# Altium PCB Iris.PcbDoc (part 2 of 13)
Units mm, origin at the board's own origin, x right, y up, seen from the top; angles counter-clockwise.
Board outline 100 x 72 mm, 6 copper layers (Top Layer, PowerPlane1, MidLayer1, MidLayer2, PowerPlane2, Bottom Layer), stack 1.561 mm thick; 396 components, 379 nets, 1616 pads, 658 vias.
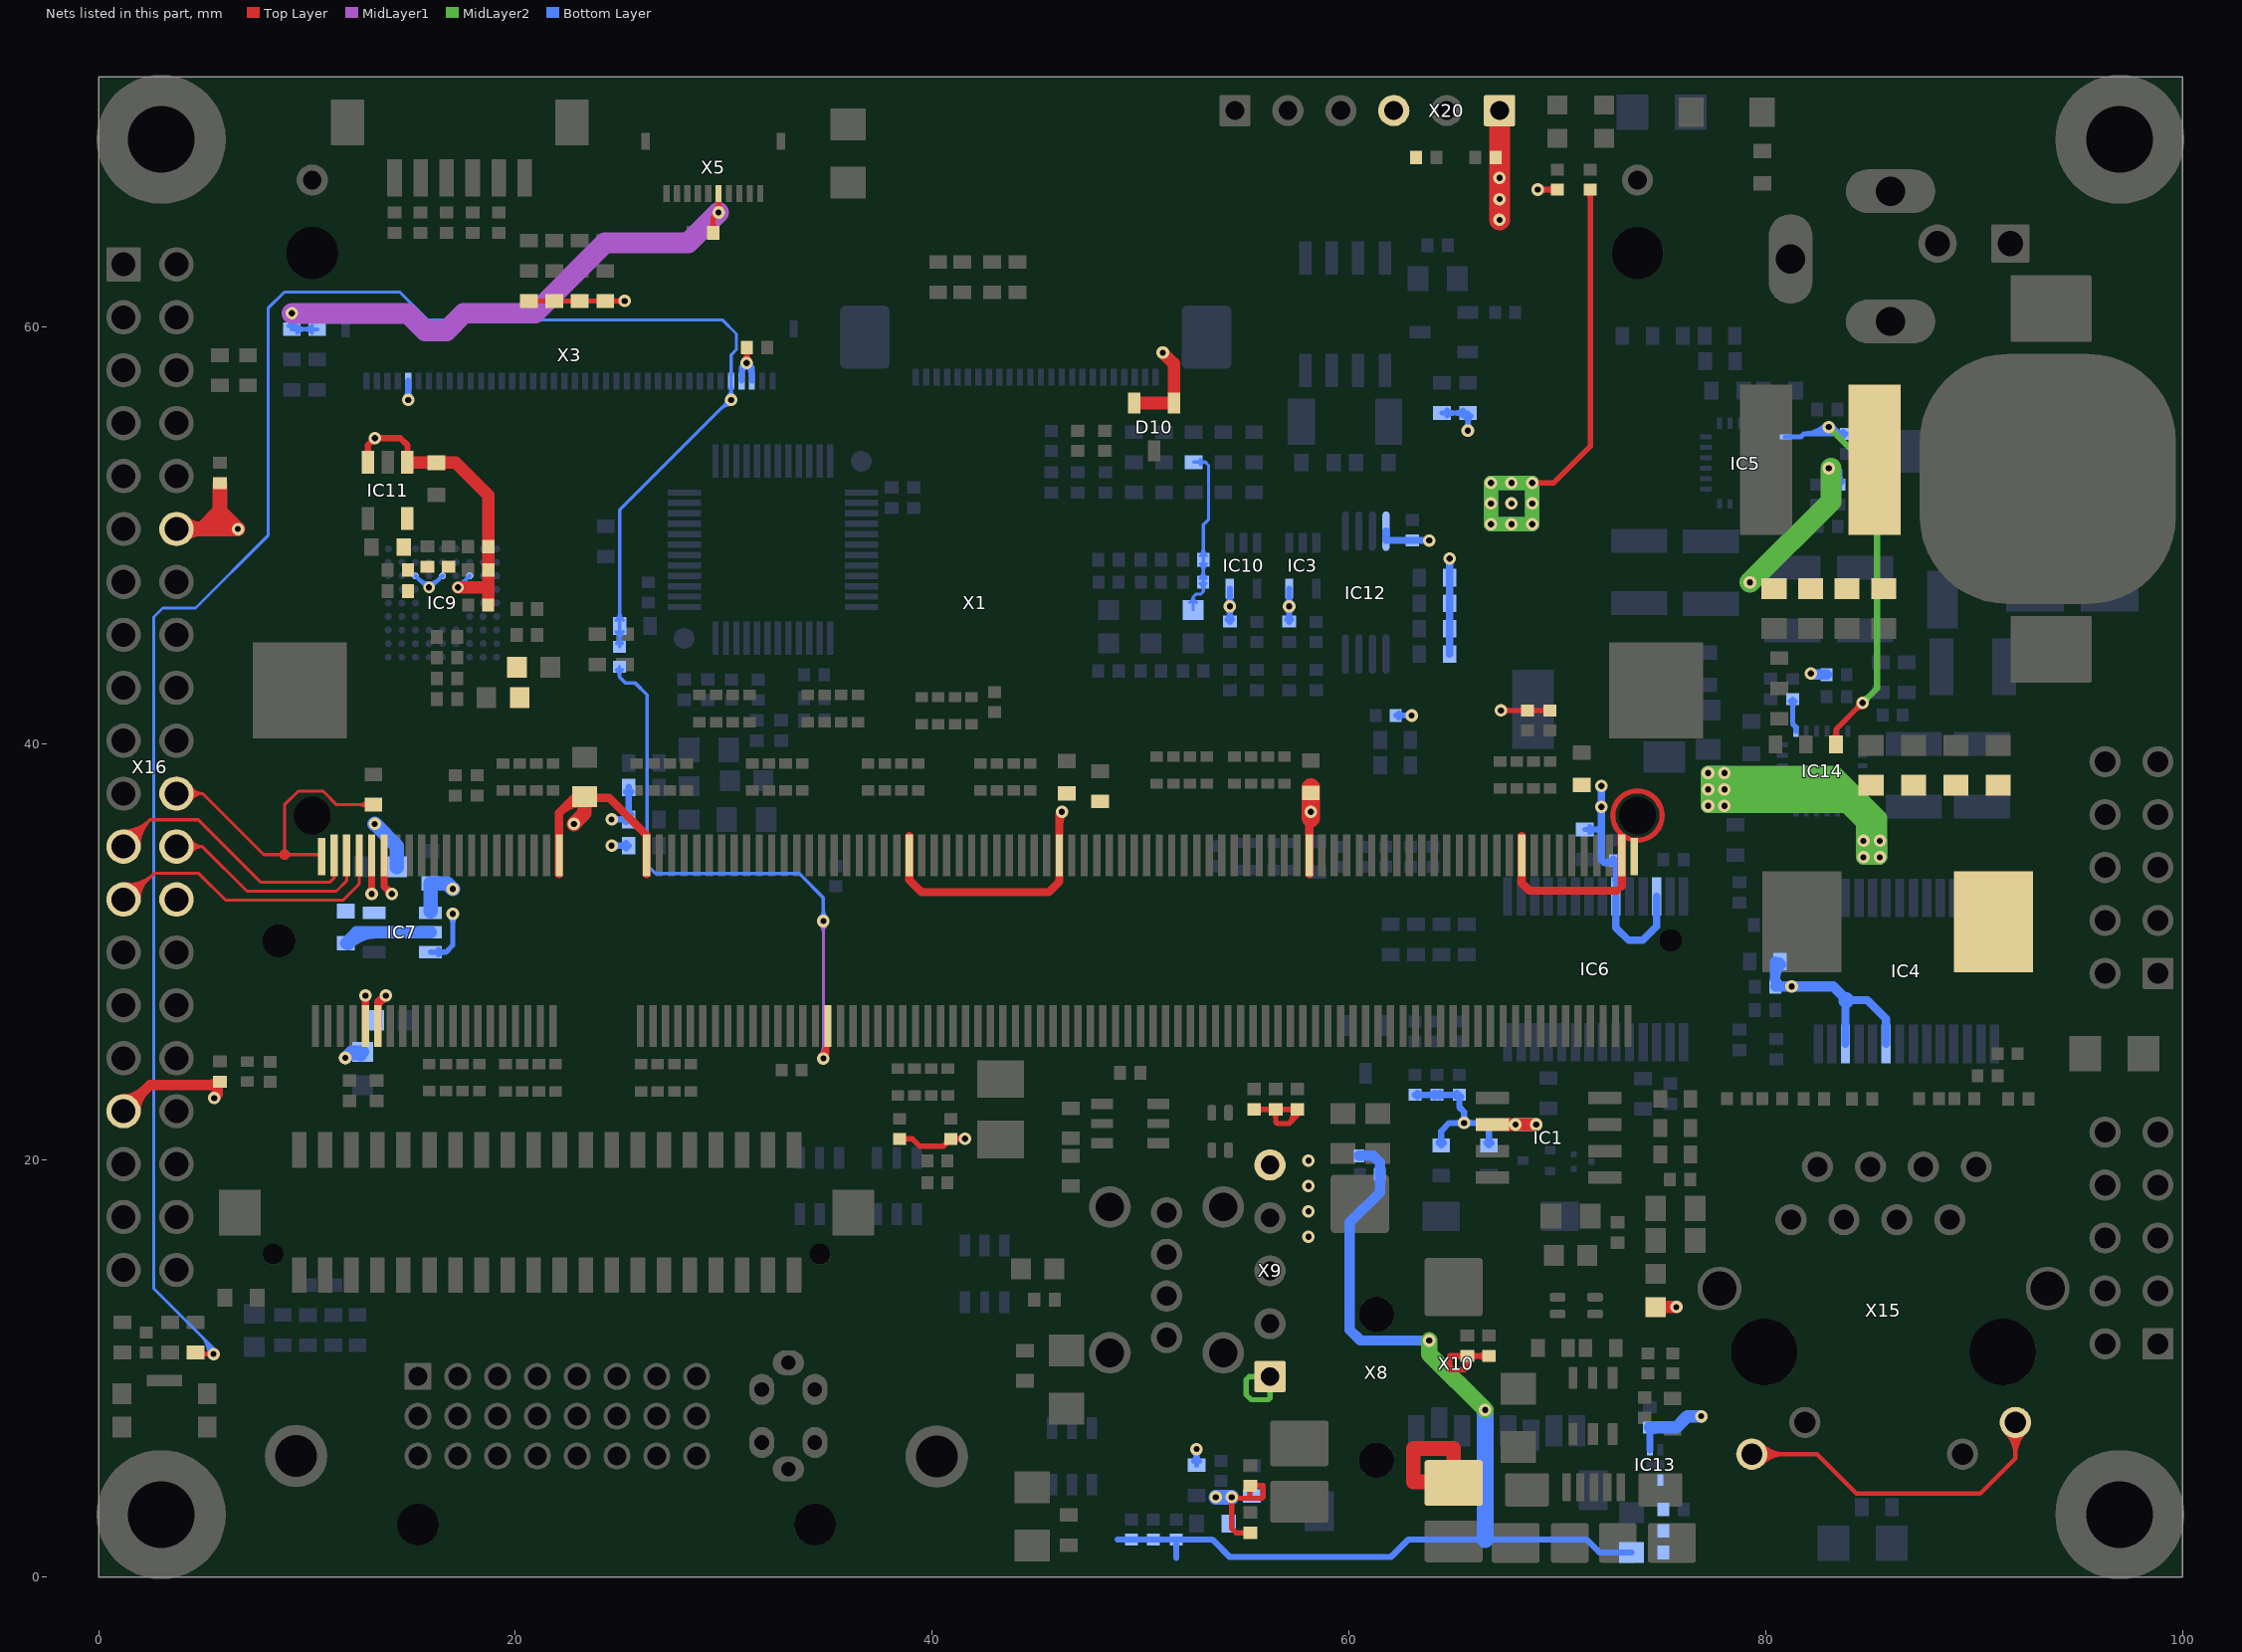
[diagram p6: the nets of this part, all layers, seen from the top]

## Footprints (in the part's own frame and the unit in brackets; to place one, negate y for a bottom-side part, rotate by r counter-clockwise, add the part's x,y. Pads: shape width x height; smd on the part's side, far side on the other; paste and mask are expansions set on the pad) (continued)
T_RAPC722X [mm] "Connector, 2.1mm (Dia), 5.5mm(Dia), Round Power Socket"
  oval 4.3x2.1 hole 1.4 slot 3.5 at 0 deg: 1(0,13.74) 2(0,7.49)
  oval 2.1x4.3 hole 1.4 slot 3.5 at 90 deg: 3(4.8,10.74)
  silkscreen extent -4.7,2 6.4,15.39, body extent -4.5,0 4.7,14.4, height 10.7
T_RESC0603X30N [mm] "Film Resistor 0603 (1608 metric), max height 0.45mm"
  rect 0.65x0.85 smd: 1(-0.725,0) 2(0.725,0)
  body extent -0.85,-0.4 0.85,0.4, height 0.56
T_RESC3216X760N [mm]
  rect 1.2x1.4 smd: 1(-1.7,0) 2(1.7,0)
  silkscreen extent -0.55,-0.88 0.55,0.88, body extent -1.6,-0.8 1.6,0.8, height 0.6
T_RESISTOR_ARRAY_X4 [mm] "Resistor Array 0.8mm"
  rect 0.5x0.6 smd: 1(0,0) 2(0,-0.8) 3(0,-1.6) 4(0,-2.4) 5(1.3,0) 6(1.3,-0.8) 7(1.3,-1.6) 8(1.3,-2.4)
  silkscreen extent -0.47,-2.92 1.77,0.52, body extent -0.15,-2.8 1.45,0.4, height 0.5
T_Resistor_Array_X4 [mm] "Resistor Array 0.8mm"
  rect 0.5x0.6 smd: 1(0,0) 2(0,-0.8) 3(0,-1.6) 4(0,-2.4) 5(1.3,0) 6(1.3,-0.8) 7(1.3,-1.6) 8(1.3,-2.4)
  silkscreen extent -0.47,-2.92 1.77,0.52, body extent -0.15,-2.8 1.45,0.4, height 0.5
T_SOT50P160X80-3N [mm] "SOT23, 3-Leads, Body 1.7x1.8mm (max), Pitch 0.50mm, IPC Medium Density"
  rect 0.51x0.4 smd: 1(-0.65,0.5) 2(-0.65,-0.5) 3(0.65,0)
  silkscreen extent -0.78,-0.85 0.42,1.37, body extent -0.43,-0.85 0.42,0.85, height 0.8
T_SOT95P285X90-6N#1 [mm]
  rect 1.05x0.5 smd: 1(-1.35,0.95) 2(-1.35,0) 3(-1.35,-0.95) 4(1.35,-0.95) 6(1.35,0.95)
  rect 1.05x0.42 smd: 5(1.35,0)
  silkscreen extent -1.57,-1.5 0.5,1.7, body extent -1.4,-1.45 1.4,1.45, height 1.45
T_SOT95P285X90-6N#2 [mm]
  rect 1.05x0.5 smd: 1(-1.35,0.95) 2(-1.35,0) 3(-1.35,-0.95) 4(1.35,-0.95) 6(1.35,0.95)
  rect 1.05x0.44 smd: 5(1.35,0)
  silkscreen extent -1.57,-1.5 0.5,1.7, body extent -1.4,-1.45 1.4,1.45, height 1.45
T_SOT95P285X90-6N#3 [mm]
  rect 1.05x0.5 smd: 1(-1.35,0.95) 3(-1.35,-0.95) 4(1.35,-0.95) 6(1.35,0.95)
  rect 1.05x0.42 smd: 2(-1.35,0) 5(1.35,0)
  silkscreen extent -1.57,-1.5 0.5,1.7, body extent -1.4,-1.45 1.4,1.45, height 1.45
T_SOT95P285X90-6N#4 [mm]
  rect 1.05x0.42 smd: 1(-1.35,0.95) 5(1.35,0) 6(1.35,0.95)
  rect 1.05x0.5 smd: 2(-1.35,0) 3(-1.35,-0.95) 4(1.35,-0.95)
  silkscreen extent -1.57,-1.5 0.5,1.7, body extent -1.4,-1.45 1.4,1.45, height 1.45
T_TDFN0P120X160X60-4N [mm] "TDFN, 4-Leads, Body 1.6x1.2mm (max), Pitch 0.50mm, IPC Medium Density"
  rect 0.3x0.55 smd: 1(-0.25,-0.725) 2(0.25,-0.725) 3(0.25,0.725) 4(-0.25,0.725)
  rect 0.86x0.5 smd paste-0.05: 5(0,0)
  silkscreen extent -0.65,-1.42 0.65,0.85, body extent -0.63,-0.82 0.63,0.82, height 0.6
T_TI_TPD2EUSB30DRTR [mm] "2 CHANNEL PROTECTION SOLUTION FOR SUPER-SPEED"
  rect 0.3x0.3 smd: 1(-0.425,0.35) 2(-0.425,-0.35) 3(0.425,0)
  silkscreen extent -0.88,0.3 -0.78,0.4, body extent -0.43,-0.5 0.43,0.5, height 0.5
T_TORADEX_LOGO [mm] "Toradex Logo"
  Top Layer lines w0.15: -6.97,0 -6.854,0 ; -6.969,-0.148 cw(c-6.99,0) -7.14,0 cw(c-6.99,0) -6.969,0.148 ; -6.898,-0.21 ccw(c-6.177,0) -5.475,-0.269 ; -6.898,0.21 cw(c-6.177,0) -5.475,0.269 ; -6.765,-0.068 ccw(c-6.958,-0.227) -6.854,0 ; -6.765,0.068 cw(c-6.958,0.227) -6.854,0 ; -6.619,-0.35 ccw(c-6.177,0) -5.81,-0.428 cw(c-5.593,0) -5.942,-0.329 cw(c-6.29,0) -6.77,0 cw(c-6.29,0) -5.942,0.329 cw(c-5.593,0) -5.81,0.428 ccw(c-6.177,0) -6.619,0.35 ; -6.338,-0.54 ccw(c-6.29,0) -5.942,-0.415 ccw(c-5.593,0) -5.921,-0.431 cw(c-6.177,0) -6.046,-0.484 ; -6.338,0.54 cw(c-6.29,0) -5.942,0.415 cw(c-5.593,0) -5.921,0.431 ccw(c-6.177,0) -6.046,0.484 ; -5.49,-0.282 cw(c-5.593,0) -5.49,0.282 ; 4.229,0.004 4.848,0.004 5.529,0.004 ccw(c4.848,0) 5.359,-0.449 ; 4.233,-0.066 4.848,-0.066 5.596,-0.066 ccw(c4.848,0) 5.45,-0.449 5.273,-0.449 cw(c4.848,0) 5.463,0.066 4.848,0.066 4.233,0.066 ; -7.095,0 cw(c-6.99,0) -6.976,0.104 ccw(c-6.958,0.227) -6.838,0.193 cw(c-6.177,0) -5.586,0.355 ccw(c-5.593,0) -5.942,0.064 ccw(c-6.29,0) -5.942,-0.064 ccw(c-5.593,0) -5.586,-0.355 cw(c-6.177,0) -6.838,-0.193 ccw(c-6.958,-0.227) -6.976,-0.104 ; -7.095,0 ccw(c-6.99,0) -6.976,-0.104 ; -7.095,0 ccw(c-6.99,0) -6.976,-0.104 ; -7.033,0 cw(c-6.99,0) -6.984,0.042 ccw(c-6.958,0.227) -6.778,0.175 cw(c-6.177,0) -5.698,0.404 ccw(c-5.593,0) -5.942,0.229 ccw(c-6.29,0) -5.942,-0.229 ccw(c-5.593,0) -5.698,-0.404 cw(c-6.177,0) -6.778,-0.175 ccw(c-6.958,-0.227) -6.984,-0.042 cw(c-6.99,0) -7.033,0 ; -6.59,0 ccw(c-6.29,0) -5.99,0 ccw(c-6.29,0) -6.59,0 ; -5.048,0 cw(c-4.898,0) -4.748,0 cw(c-4.898,0) -5.048,0 ; -5.003,0 cw(c-4.898,0) -4.793,0 cw(c-4.898,0) -5.003,0 ; -4.94,0 cw(c-4.898,0) -4.856,0 cw(c-4.898,0) -4.94,0 ; -4.352,0 cw(c-4.202,0) -4.052,0 cw(c-4.202,0) -4.352,0 ; -4.307,0 cw(c-4.202,0) -4.097,0 cw(c-4.202,0) -4.307,0 ; -4.244,0 cw(c-4.202,0) -4.16,0 cw(c-4.202,0) -4.244,0 ; -4.176,1.044 -3.377,1.044 -3.377,-0.701 -3.226,-0.701 -3.226,1.044 -2.457,1.044 -2.457,1.174 -4.072,1.174 -4.176,1.044 ; -4.046,1.106 -3.315,1.106 -3.315,-0.638 -3.288,-0.638 -3.288,1.106 -2.519,1.106 -2.519,1.112 -4.042,1.112 -4.046,1.106 ; -2.681,0 cw(c-1.93,0) -1.178,0 cw(c-1.93,0) -2.681,0 ; -2.619,0 cw(c-1.93,0) -1.241,0 cw(c-1.93,0) -2.619,0 ; -2.548,0 cw(c-1.93,0) -1.311,0 cw(c-1.93,0) -2.548,0 ; -0.793,-0.701 -0.66,-0.701 -0.66,0 cw(c-0.042,0) 0.137,0.592 cw(c1.104,0) 0.216,0.705 ccw(c-0.042,0) -0.793,0 -0.793,-0.701 ; -0.731,-0.638 -0.723,-0.638 -0.723,0 cw(c-0.042,0) 0.109,0.664 cw(c1.104,0) 0.114,0.671 ccw(c-0.042,0) -0.731,0 -0.731,-0.638 ; 0.352,0 cw(c1.104,0) 1.855,0 1.855,-0.701 1.722,-0.701 1.722,-0.427 cw(c1.104,0) 0.352,0 ; 0.415,0 cw(c1.104,0) 1.793,0 1.793,-0.638 1.785,-0.638 1.785,-0.104 cw(c1.104,0) 0.415,0 ; 0.485,0 ccw(c1.104,0) 1.722,0 ccw(c1.104,0) 0.485,0 ; 2.199,0 cw(c2.95,0) 3.569,0.427 3.569,1.174 3.702,1.174 3.702,0 cw(c2.95,0) 2.199,0 ; 2.261,0 cw(c2.95,0) 3.631,0.104 3.631,1.112 3.639,1.112 3.639,0 cw(c2.95,0) 2.261,0 ; 2.332,0 ccw(c2.95,0) 3.569,0 ccw(c2.95,0) 2.332,0 ; 5.769,-0.701 5.937,-0.701 6.46,-0.036 6.98,-0.701 7.14,-0.701 6.548,0.056 7.065,0.714 6.895,0.714 6.46,0.15 6.025,0.714 5.862,0.714 6.375,0.055 5.769,-0.701 ; 5.899,-0.638 5.906,-0.638 6.46,0.065 7.011,-0.638 7.012,-0.638 6.469,0.056 6.936,0.651 6.926,0.651 6.46,0.048 5.994,0.651 5.99,0.651 6.455,0.055 5.899,-0.638
T_TYCO_284512-2 [mm] "Power Connector 3.5mm"
  rrect10% 1.85x1.85 hole 1.2: 1(2.25,8)
  round 1.85 hole 1.2: 2(5.75,8)
  silkscreen extent -0.5,0 8.5,9.2, body extent -0.5,0 8.5,9.2, height 7.27
T_TYCO_826936-3 [mm] "Connector; Header; 3 Position"
  rrect10% 1.5x1.5 hole 0.9: 1(0,0)
  round 1.5 hole 0.9: 2(2.54,0) 3(5.08,0)
  silkscreen extent -1.27,-1.73 6.35,1.27, body extent -1.27,-1.27 6.35,1.27, height 8.4
T_TYCO_1473005-1 [mm] "SODIMM Connector"
  rect 2x0.35 smd: 1(0,0) 3(0,-0.6) 4(8.2,-0.9) 5(0,-1.2) 6(8.2,-1.5) 7(0,-1.8) 8(8.2,-2.1) 9(0,-2.4) 10(8.2,-2.7) 11(0,-3) 12(8.2,-3.3) 13(0,-3.6) 14(8.2,-3.9) 15(0,-4.2) 16(8.2,-4.5) 17(0,-4.8) 18(8.2,-5.1) 19(0,-5.4) 20(8.2,-5.7) 21(0,-6) 22(8.2,-6.3) 23(0,-6.6) 24(8.2,-6.9) 25(0,-7.2) 26(8.2,-7.5) 27(0,-7.8) 28(8.2,-8.1) 29(0,-8.4) 30(8.2,-8.7) 31(0,-9) 32(8.2,-9.3) 33(0,-9.6) 34(8.2,-9.9) 35(0,-10.2) 36(8.2,-10.5) 37(0,-10.8) 38(8.2,-11.1) 39(0,-11.4) 40(8.2,-11.7) 41(0,-15.6) 42(8.2,-15.9) 43(0,-16.2) 44(8.2,-16.5) 45(0,-16.8) 46(8.2,-17.1) 47(0,-17.4) 48(8.2,-17.7) 49(0,-18) 50(8.2,-18.3) 51(0,-18.6) 52(8.2,-18.9) 53(0,-19.2) 54(8.2,-19.5) 55(0,-19.8) 56(8.2,-20.1) 57(0,-20.4) 58(8.2,-20.7) 59(0,-21) 60(8.2,-21.3) 61(0,-21.6) 62(8.2,-21.9) 63(0,-22.2) 64(8.2,-22.5) 65(0,-22.8) 66(8.2,-23.1) 67(0,-23.4) 68(8.2,-23.7) 69(0,-24) 70(8.2,-24.3) 71(0,-24.6) 72(8.2,-24.9) 73(0,-25.2) 74(8.2,-25.5) 75(0,-25.8) 76(8.2,-26.1) 77(0,-26.4) 78(8.2,-26.7) 79(0,-27) 80(8.2,-27.3) 81(0,-27.6) 82(8.2,-27.9) 83(0,-28.2) 84(8.2,-28.5) 85(0,-28.8) 86(8.2,-29.1) 87(0,-29.4) 88(8.2,-29.7) 89(0,-30) 90(8.2,-30.3) 91(0,-30.6) 92(8.2,-30.9) 93(0,-31.2) 94(8.2,-31.5) 95(0,-31.8) 96(8.2,-32.1) 97(0,-32.4) 98(8.2,-32.7) 99(0,-33) 100(8.2,-33.3) 101(0,-33.6) 102(8.2,-33.9) 103(0,-34.2) 104(8.2,-34.5) 105(0,-34.8) 106(8.2,-35.1) 107(0,-35.4) 108(8.2,-35.7) 109(0,-36) 110(8.2,-36.3) 111(0,-36.6) 112(8.2,-36.9) 113(0,-37.2) 114(8.2,-37.5) 115(0,-37.8) 116(8.2,-38.1) 117(0,-38.4) 118(8.2,-38.7) 119(0,-39) 120(8.2,-39.3) 121(0,-39.6) 122(8.2,-39.9) 123(0,-40.2) 124(8.2,-40.5) 125(0,-40.8) 126(8.2,-41.1) 127(0,-41.4) 128(8.2,-41.7) 129(0,-42) 130(8.2,-42.3) 131(0,-42.6) 132(8.2,-42.9) 133(0,-43.2) 134(8.2,-43.5) 135(0,-43.8) 136(8.2,-44.1) 137(0,-44.4) 138(8.2,-44.7) 139(0,-45) 140(8.2,-45.3) 141(0,-45.6) 142(8.2,-45.9) 143(0,-46.2) 144(8.2,-46.5) 145(0,-46.8) 146(8.2,-47.1) 147(0,-47.4) 148(8.2,-47.7) 149(0,-48) 150(8.2,-48.3) 151(0,-48.6) 152(8.2,-48.9) 153(0,-49.2) 154(8.2,-49.5) 155(0,-49.8) 156(8.2,-50.1) 157(0,-50.4) 158(8.2,-50.7) 159(0,-51) 160(8.2,-51.3) 161(0,-51.6) 162(8.2,-51.9) 163(0,-52.2) 164(8.2,-52.5) 165(0,-52.8) 166(8.2,-53.1) 167(0,-53.4) 168(8.2,-53.7) 169(0,-54) 170(8.2,-54.3) 171(0,-54.6) 172(8.2,-54.9) 173(0,-55.2) 174(8.2,-55.5) 175(0,-55.8) 176(8.2,-56.1) 177(0,-56.4) 178(8.2,-56.7) 179(0,-57) 180(8.2,-57.3) 181(0,-57.6) 182(8.2,-57.9) 183(0,-58.2) 184(8.2,-58.5) 185(0,-58.8) 186(8.2,-59.1) 187(0,-59.4) 188(8.2,-59.7) 189(0,-60) 190(8.2,-60.3) 191(0,-60.6) 192(8.2,-60.9) 193(0,-61.2) 194(8.2,-61.5) 195(0,-61.8) 196(8.2,-62.1) 197(0,-62.4) 198(8.2,-62.7) 199(0,-63)
  rect 1.8x0.35 smd: 2(8.134,-0.3) 200(8.134,-63.3)
  rect 4.6x4.5 smd: BE1(16.1,0.75) BE2(16.1,-64.35)
  round 1.6 hole 1.6 unplated: ""(4.1,1.75)
  round 1.1 hole 1.1 unplated: ""(4.1,-65.05)
  round 1.8 hole 1.8 unplated: ""(10.1,0.15) ""(10.1,-63.45)
  round 2.5 hole 2.5 unplated: ""(37.1,0.15) ""(37.1,-63.45)
  round 1.5 hole 0.9: ""(40.6,0.15) ""(40.6,-63.45)
  silkscreen extent -0.64,-67.9 25.27,4.75, body extent -0.9,-67.4 25.15,4.1, height 5.22
T_Wurth_693071010811 [mm] "MicroSD Holder, Push-Pust Type,"
  rect 0.8x1.5 smd: 1(-8.94,10.7) 2(-7.84,10.3) 3(-6.74,10.7) 4(-5.64,10.9) 5(-4.54,10.7) 6(-3.44,10.9) 7(-2.34,10.7) 8(-1.24,10.7)
  rect 1.8x1.4 smd: CD1(-2.05,0.4) CD2(-7.75,0.4)
  rect 1.4x1.9 smd: S1(-0.45,13.55) S2(-13.6,14.55)
  silkscreen extent -14.55,-0.56 0.51,15.75, body extent -14,0 0,19.65, height 1.83
TSOP65P650X120-8M [mm] "TSOP, 8-Leads, Body 3.1x4.5mm (max), Pitch 0.65mm, IPC Low Density"
  oval 1.9x0.35 smd: 1(-2.95,0.975) 2(-2.95,0.325) 3(-2.95,-0.325) 4(-2.95,-0.975) 5(2.95,-0.975) 6(2.95,-0.325) 7(2.95,0.325) 8(2.95,0.975)
  silkscreen extent -3.07,-1.55 1.6,1.83, body extent -3.2,-1.5 3.2,1.5, height 1.2

## Part data
BAT1: library part BAT-Keystone-3000, "Battery Holder"
C1 C2 C4 C9 C10 C11: library part C-NP0-10pF-50V-10%-0402, "Capacitor Ceramic NP0 10pF 50V 10% 0402"
C3: library part C-X7R-220pF-50V-10%-0402, "Capacitor Ceramic X7R 220pF 50V 10% 0402"
C5 C6: library part C-NP0-47pF-50V-5%-0402, "Capacitor Ceramic NP0 47pF 50V 5% 0402"
C7 C8: library part C-NP0-4.7pF-50V-10%-0402, "Capacitor Ceramic NP0  4.7pF 50V 10% 0402"
C12 C13 C15 C17 C19 C20 C22 C23 C33 C36 C37 C38 C39 C40 C43 C44 C45 C46 C47 C48 C49 C50 C51 C54 C58 C86 C89 C95 C96 C97 C104 C105 C112 C115 C116 C117 C118 C120 C121 C122 C124 C132 C138: library part C-X7R-100nF-16V-10%-0402, "Capacitor Ceramic X7R 100nF 16V 10% 0402"
C14 C16 C18 C21 C24 C25 C76 C77 C123 C125 C126: library part C-X7R-10nF-25V-10%-0402, "Capacitor Ceramic X7R 10nF 25V 10% 0402"
C26 C27 C52 C53 C63 C64 C65 C66 C72 C73 C74 C75: library part C-X5R-47uF-10V-20%-0805, "Capacitor Ceramic X5R 47uF 10V 20% 0805"
C28 C29 C30 C31 C32 C35 C87: library part C-NPO-15pF-50V-5%-0402, "Capacitor Ceramic NPO 15pF 50V 5% 0402"
C34: library part C-X7R-100pF-50V-10%-0402, "Capacitor Ceramic X7R 100pF 50V 10% 0402"
C41: library part C-TA-100uF-10V-20%-3528, "Capacitor TA 100uF 10V 20% 3528"
C42 C55 C82 C98 C102 C103 C139: library part C-X5R-22uF-10V-20%-0805, "Capacitor Ceramic X5R 22uF 10V 20% 0805"
C56 C57: library part C-NPO-27pF-50V-5%-0603, "Capacitor Ceramic NPO 27pF 50V 5% 0603"
C59 C80 C88 C99 C100 C101: library part C-X5R-4.7uF-10V-10%-0603, "Capacitor Ceramic X5R 4.7uF 10V 10% 0603"
C60 C62 C71 C81 C119: library part C-X7R-100nF-50V-10%-0603, "Capacitor Ceramic X7R 100nF 50V 10% 0603"
C61 C67 C68 C69 C70 C78 C79: library part C-X5R-10uF-50V-10%-1210, "Capacitor Ceramic X5R 10uF 50V 10% 1210"
C84 C85: library part C-X5R-2.2uF-6.3V-20%-0603, "Capacitor Ceramic X5R 2.2uF 6.3V 20% 0603"
C90 C91 C92 C93 C94 C137: library part C-X7R-1nF-50V-10%-0402, "Capacitor Ceramic X7R 1nF 50V 10% 0402"
C127 C128: library part C-X5R-1uF-16V-10%-0603, "Capacitor Ceramic X5R 1uF 16V 10% 0603"
C129 C130 C131 C133 C134 C135 C136: library part C-X7R-1nF-2KV-10%-1206, "Capacitor Ceramic X7R 1nF 2KV 10% 1206"
D1 D2 D3 D4 D5 D11: library part D-Semtech-RClamp0504S, "TVS Array low cap"
D6: library part D-TI-TPD2EUSB30DRTR, "2 Channel Protection for Super Speed USB3.0"
D7 D10 D12: library part D-Philips-BAT54C-Schottky, "BAT54C Schottky Diode"
D8: "Bidirectional ESD protection"
D13: library part D-Vishay-SS8P6C-M3/86A, "Diode Schottky, SS8P6C-M3/86A, 60V(Vrrm), 8A(If)"
F1: library part F-Littelfuse-0458008.DR, "Fast Fuse, Rated 8A, 63V(DC), 1206 (3216 Metric)"
IC1: library part IC-TI-TPS2042BD, "Dual High Side Switch With OC_DET 500mA/CH"
IC2: library part IC-AD-ADV7125KSTZ140, "Video DAC 8bit 140MHz"
IC3 IC10: library part IC-TI-SN74LVC1G17DCKR, "Schmitt Trigger Buffer, SO-70 package"
IC4 IC6: library part IC-TI-SN65C3243PWR, "RS-232 Serial Transceiver"
IC5 IC14: library part IC-A&O-AOZ2260QI-10, "6A (Iout(max)) Synchronous Buck Regulator, QFN-22L (4mmx 4mm), Vin = 6.5V to 28V"
IC7: library part IC-ON-NCP511SN33T1G, "NCP511SN33T1G LDO Regulator"
IC8: library part IC-ST-M41T0M6, "RTC M41T0M6"
IC9: library part IC-THine-THC63LVD827, "LVDS Transmitter"
IC11: library part IC-OnSemi-NCV8114ASN180T1G, "LDO regulator, Vout = 1.8V, Imax = 300mA"
IC12: library part IC-Microchip-AT34C02D-XHM-B, "EEPROM, 2Kbit (256 x 8), TSSOP-8 package"
IC13: library part IC-Microchip-MIC94070YMT-TR, "High Side Load Switch, TDFN4 1.2 x 1.6"
IC15: library part IC-ON-NCV4274CST50T3G, "LDO regulator, Vout = 5V, Iout(max) = 0.4A, Vin = 5.5V to 40V, SOT-223"
JP1: library part CON-Tyco-826936-3-1X3-2.54mm-JP, "Jumper, 3-Pin"
L1 L2 L3 L4: library part L-220R@100MHz-500mA-25%-0402, "Ferrite Bead, 220R@100MHz, 500mA, 0402 (1005 metric)"
L5 L6 L7: library part L-TDK-MMZ1608S400A-40R@100MHz-600mA-25%-0603, "40R@100MHz 600mA EMI FILTER"
L8: library part L-Pulse-PA5007.332NLT-3.3uH-10A-20%, "Inductance 3.3uH, 20%, Irms=10A, Isat=15A, DCR=18 mOhm"
L9 L10 L11 L17 L18 L19 L21 L24 L25 L27 L31: library part L-220R@100MHz-2A-25%-0603, "220R@100MHz 2A EMI FILTER"
L15 L16: library part L-Murata-DLW21SN900SQ2-90R@100MHz-330mA-25%, "Common Mode Choke High Speed 90R 330mA"
L23 L29: library part L-Laird-35F0121-0SR-10-10A-25%, "Power Supply FB 10A"
L26: library part L-Laird-MGV10043R3M-10-3.3uH-10A-20%, "Inductance 3.3uH, 20%, Irms=10A, Isat=18.6A, DCR=11.8 mOhm"
LED1 LED2: library part LED-Avago-HSMG-C190, "Surface mount LED green 20mA"
MECH3 MECH4 MECH5 MECH6 MECH7 MECH8 MECH9 MECH10: "Fiducial"
MH1 MH2 MH3 MH4: "PCB Mounting Holes, hole diemeter = 3.2mm, pad diameter = 6.2mm"
OSC1: library part OSC-MC-CC4V-T1A-32.768KHz-30ppm-5x1.9mm, "Quartz 32.768kHz"
R1 R2 R3 R4 R5 R7 R8 R9 R10 R57 R77 R78 R79 R80 R87 R146 R147 R148 R149: library part R-22R-63mW-5%-0402, "Resistor 22 ohm 63mW 5% 0402"
R6 R14 R15 R16 R17 R18 R19 R20 R21 R22 R23 R35 R36 R39 R40 R41 R43 R44 R45 R56 R62 R63 R65 R69 R70 R71 R72 R75 R84 R88 R89 R90 R91 R92 R93 R94 R98 R99 R110 R121 R122 R123 R125 R126 R127 R128 R151 R153 R154 R155 R156 R157 R158: library part R-0R-63mW-5%-0603, "Resistor 0 ohm 63mW 5% 0603"
R11 R12: library part R-1.8KR-63mW-5%-0402, "Resistor 1.8 Kohm 63mW 5% 0402"
R13 R82 R116: library part R-1KR-63mW-5%-0402, "Resistor 1 Kohm 63mW 5% 0402"
R24 R27 R29 R42 R46 R53 R106 R107 R129 R130 R131 R132 R133 R134 R135 R136: library part R-100KR-63mW-5%-0603, "Resistor 100 Kohm 63mW 5% 0603"
R25 R26 R28 R31 R32 R33 R95 R96: library part R-150R-63mW-5%-0402, "Resistor 150 ohm 63mW 5% 0402"
R30 R58 R59 R60: library part R-15KR-63mW-5%-0603, "Resistor 15 Kohm 63mW 5% 0603"
R34 R81 R115: library part R-560R-63mW-5%-0402, "Resistor 560 ohm 63mW 5% 0402"
R37 R137 R138 R140: library part R-1MR-63mW-5%-0603, "Resistor 1 Mohm 63mW 5% 0603"
R38 R109 R111 R112 R113: library part R-100R-63mW-5%-0603, "Resistor 100 ohm 63mW 5% 0603"
R47 R48 R51 R52: library part R-49.9R-100mW-1%-0402, "Resistor 49.9 ohm 100mW 1% 0402"
R49 R50 R61 R64 R100 R117 R118 R119 R120 R150: library part R-100KR-63mW-5%-0402, "Resistor 100 Kohm 63mW 5% 0402"
R54 R55: library part R-4.7kR-63mW-5%-0402, "Resistor 4.7 Kohm 63mW 5% 0402"
R66 R73: library part R-47KR-63mW-1%-0402, "Resistor 47 Kohm 63mW 1% 0402"
R67: library part R-15KR-63mW-1%-0402, "Resistor 15 Kohm 63mW 1% 0402"
R68: library part R-330KR-63mW-1%-0402, "Resistor 330 Kohm 63mW 1% 0402"
R74: library part R-8.87KR-63mW-1%-0402, "Resistor 8.87 Kohm 63mW 1% 0402"
R76 R97: library part R-33R-63mW-5%-0402, "Resistor 33 ohm 63mW 5% 0402"
R83 R85 R86 R145: library part R-10KR-63mW-5%-0603, "Resistor 10 Kohm 63mW 5% 0603"
R101: library part R-33KR-63mW-5%-0402, "Resistor 33 Kohm 63mW 5% 0402"
R102 R103 R104 R105: library part R-68KR-63mW-5%-0402, "Resistor 68 Kohm 63mW 5% 0402"
R108: library part R-10KR-63mW-1%-0402, "Resistor 10 Kohm 63mW 1% 0402"
R114: library part R-22R-63mW-5%-0603, "Resistor 22 ohm 63mW 5% 0603"
R124: library part R-2.2KR-63mW-5%-0402, "Resistor 2.2 Kohm 63mW 5% 0402"
R139: library part R-0R-63mW-1%-1206, "Resistor 0 ohm 63mW 1% 1206"
R141 R142 R143 R144: library part R-1KR-63mW-5%-0603, "Resistor 1 Kohm 63mW 5% 0603"
R152: library part R-470KR-63mW-1%-0402, "Resistor 470 Kohm 63mW 1% 0402"
RA1 RA2 RA3 RA4 RA5 RA6 RA7 RA8 RA9 RA10 RA11 RA12 RA13 RA14 RA15 RA16: library part RA-22R-63mW-5%-1206-div, "Resistor Array 22 R 63mW 5% 1206"
SW1: library part SW_CnK-KMR211GLFS-1VA, "Power ON Switch"
T3: "N-Channel 20V (D-S)  MOSFET"
X1: library part CON-Tyco-1473005-1-200-0.6mm, "SODIMM Connector"
X2: library part CON-Molex-52435-2471-24-0.5mm, "0.50mm Pitch FFC/FPC DVI Connector"
X3: library part CON-Hirose-FH34SRJ-40S-0.5SH, "FFC Connector, 40 pin, 0.5mm pitch, dual side contact"
X4: "DVI Connector"
X5: library part CON-Hirose-FH34SRJ-10S-0.5SH, "FFC Connector, 10 pin, 0.5mm pitch, dual side contact"
X6: library part CON-SwitchCraft-RAPC722X, "Barrel Power Connector"
X7: library part CON-Hirose-DF13EA-40DP-1.25V(76), "LVDS Connector, 2x20 pin, 1.25mm pitch, SMD"
X8: library part CON-Cui-SJ-43516-SMT-6-3.5mm, "3.5mm Stereo Jack SMD with Detect Contact"
X9: library part CON-3M-961105-6404-AR, "Audio Header 5 pins 2.54mm"
X10: library part CON-Wurth-693071010811, "Micro SD Holder Push Push CD"
X11: "USB Type A Connector"
X12: library part CON-Hirose-ZX62-AB-5PA(31), "Micro AB USB-2.0, 5 Position, Surface Mount, Right Angle, Horizontal"
X13 X14: library part CON-Fci-77313-101-10-LF-woA10-9-2.54mm, "RS232 Header"
X15: library part CON-Pulse-JX0011D21BNL, "RJ45 connector with magentics, 10/100 Base-TX, AutoMDIX, Through Hole"
X16: library part CON-JVE-21B22564-40S10B-01G-2X20-2.54mm, "2X20 PIN Header 2.54mm"
X17: library part CON-Tyco-284512-2-1x2-3.5mm, "Terminal Block Power Connector"
X19: library part CON-Hirose-DF13C-6P-1.25V(51)-1x6-1.25mm, "Touch Connector"
X20: library part CON-Tyco-826936-3-1X3-2.54mm, "Header, 3-Pin"